# Altium PCB PCB1.PcbDoc (part 5 of 9) (continued)
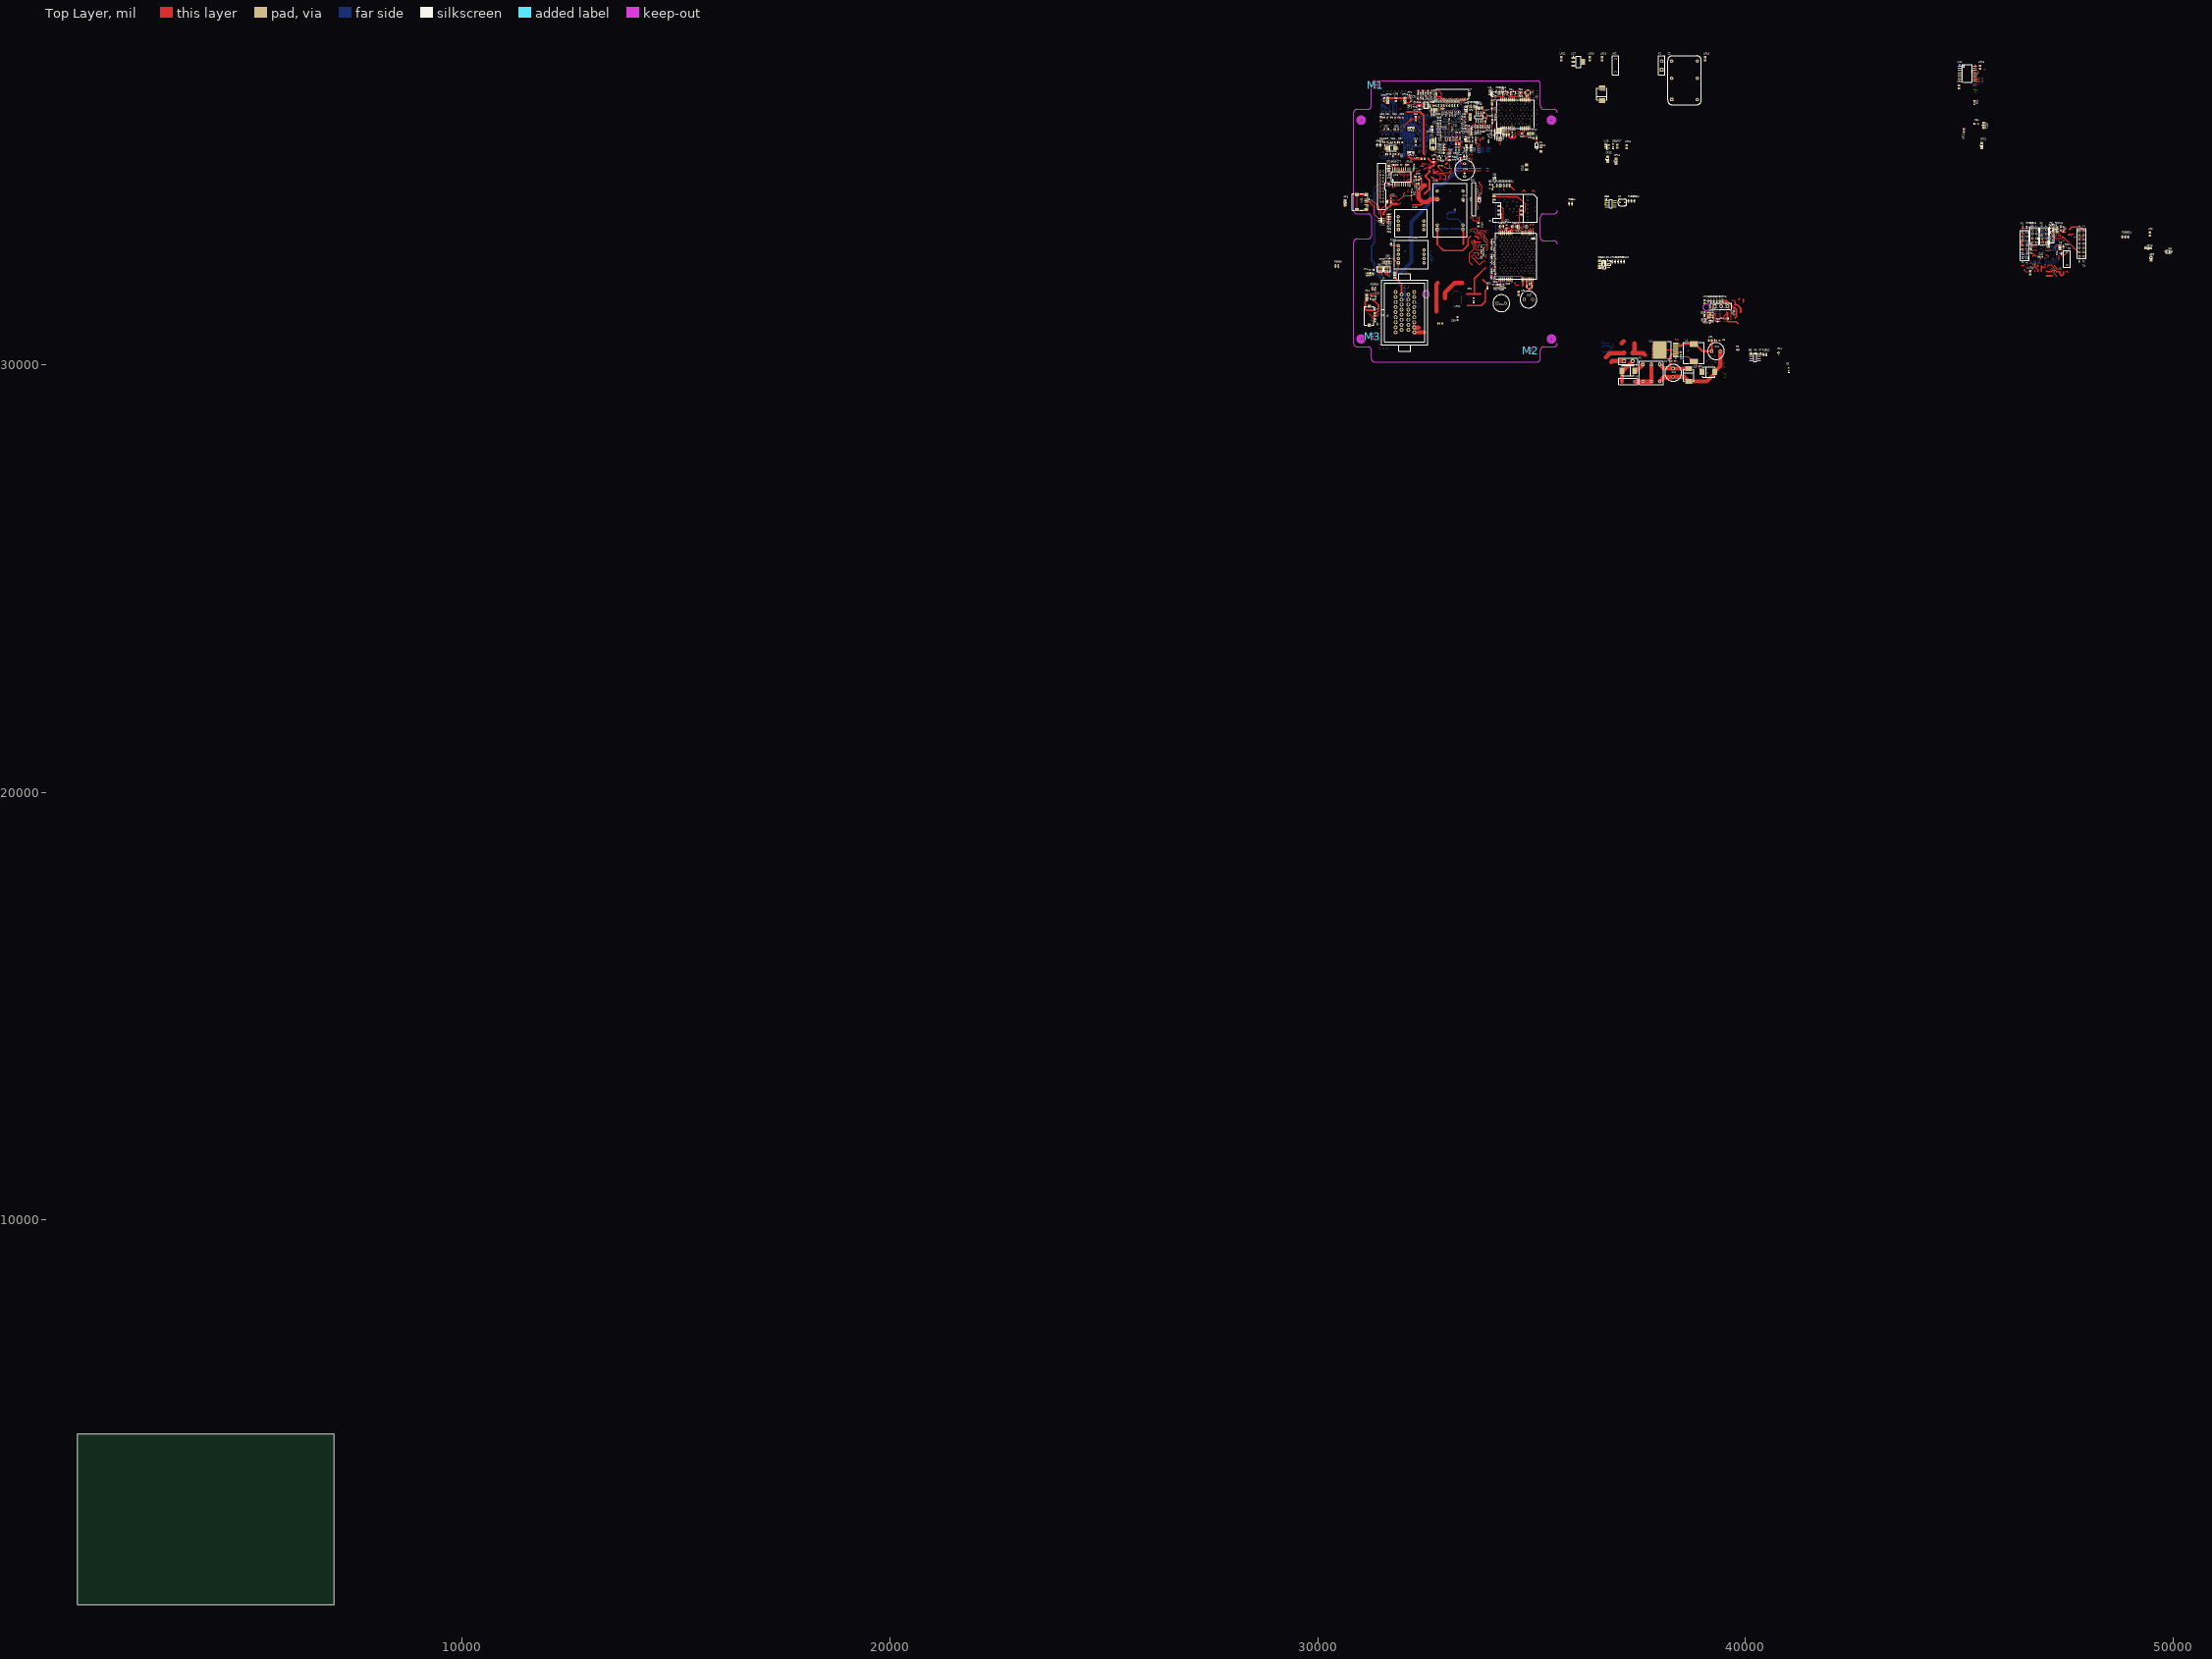
[diagram p0: Top Layer view]
## Nets (pads, with @x,y where several pads share a name; then routed paths per layer and width w, separated by ;. In a path a pad name is that pad's centre, name@x,y a point inside that pad or via, vN(x,y) a via of type N, cw(c..) or ccw(c..) an arc to the next point about the centre after c; other vN are vias at no path point) (continued)
cw(c32242.9,35582.26) 32242.9,35587.26 cw(c32242.9,35582.26) 32247.9,35582.26 32247.9,35555.46 ccw(c32252.9,35555.46) 32252.9,35550.46 ccw(c32252.9,35555.46) 32257.9,35555.46 32257.9,35565.46 cw(c32262.9,35565.46) 32262.9,35570.46 32272.9,35570.46 32278.88,35564.47 ccw(c32282.41,35568.01) 32285.95,35564.47 32289.74,35568.26 cw(c32293.28,35564.73) 32296.81,35568.27 cw(c32293.28,35564.73) 32296.81,35561.19 32293.02,35557.4 ccw(c32296.56,35553.87) 32293.02,35550.33 ccw(c32296.56,35553.87) 32300.09,35550.33 32303.88,35554.12 cw(c32307.42,35550.59) 32310.95,35554.12 cw(c32307.42,35550.59) 32310.95,35547.05 32295.09,35531.18 ccw(c32298.62,35527.65) 32295.09,35524.11 ccw(c32298.62,35527.65) 32302.16,35524.11 32307.16,35529.12 cw(c32310.7,35525.58) 32314.23,35529.12 ; v2(32149.88,32881.1) 32147.86,32881.1 32107.57,32921.4 32107.57,33759.46 33187.27,34839.16 33187.27,35236.8 33157.74,35266.32 33157.74,35423.8 v1(33173.49,35439.55) ; v1@32170.53,35685.02 cw(c32170.53,35669.33) 32181.63,35680.42 cw(c32192.73,35691.52) v1@32177.03,35691.52 ; v1(32170.53,35691.52) 32191.2,35670.86 32202.46,35670.86 cw(c32202.46,35665.86) 32207.46,35665.86 32207.46,35665.17 ccw(c32212.46,35665.17) 32212.46,35660.17 ccw(c32212.46,35665.17) 32217.46,35665.17 32217.46,35685.86 cw(c32222.46,35685.86) 32222.46,35690.86 cw(c32222.46,35685.86) 32227.46,35685.86 32227.46,35665.17 ccw(c32232.46,35665.17) 32232.46,35660.17 ccw(c32232.46,35665.17) 32237.46,35665.17 32237.46,35685.86 cw(c32242.46,35685.86) 32242.46,35690.86 cw(c32242.46,35685.86) 32247.46,35685.86 32247.46,35665.17 ccw(c32252.46,35665.17) 32252.46,35660.17 ccw(c32252.46,35665.17) 32257.46,35665.17 32257.46,35685.86 cw(c32262.46,35685.86) 32262.46,35690.86 cw(c32262.46,35685.86) 32267.46,35685.86 32267.46,35665.17 ccw(c32272.46,35665.17) 32272.46,35660.17 ccw(c32272.46,35665.17) 32277.46,35665.17 32277.46,35678.62 cw(c32282.46,35678.62) 32282.46,35683.62 cw(c32282.46,35678.62) 32287.46,35678.62 32287.46,35665.17 ccw(c32292.46,35665.17) 32292.46,35660.17 ccw(c32292.46,35665.17) 32297.46,35665.17 32297.46,35665.86 cw(c32302.46,35665.86) 32302.46,35670.86 cw(c32302.46,35665.86) 32307.46,35665.86 32307.46,35665.17 ccw(c32312.46,35665.17) 32312.46,35660.17 ccw(c32312.46,35665.17) 32317.46,35665.17 32317.46,35684.41 cw(c32322.46,35684.41) 32322.46,35689.41 cw(c32322.46,35684.41) 32327.46,35684.41 32327.46,35665.17 ccw(c32332.46,35665.17) 32332.46,35660.17 ccw(c32332.46,35665.17) 32337.46,35665.17 32337.46,35684.41 cw(c32342.46,35684.41) 32342.46,35689.41 cw(c32342.46,35684.41) 32347.46,35684.41 32347.46,35665.17 ccw(c32352.46,35665.17) 32352.46,35660.17 ccw(c32352.46,35665.17) 32357.46,35665.17 32357.46,35665.86 cw(c32362.46,35665.86) 32362.46,35670.86 v1(32370.3,35670.86) ; v1(32199.08,35046.84) 32299.51,35046.84 cw(c32299.51,35041.84) 32304.51,35041.84 32304.51,35037.29 ccw(c32309.51,35037.29) 32309.51,35032.29 ccw(c32309.51,35037.29) 32314.51,35037.29 32314.51,35059.79 cw(c32319.51,35059.79) 32319.51,35064.79 cw(c32319.51,35059.79) 32324.51,35059.79 32324.51,35036.56 ccw(c32329.51,35036.56) 32329.51,35031.56 ccw(c32329.51,35036.56) 32334.51,35036.56 32334.51,35055.62 cw(c32339.51,35055.62) 32339.51,35060.62 cw(c32339.51,35055.62) 32344.51,35055.62 32344.51,35051.84 ccw(c32349.51,35051.84) 32349.51,35046.84 32363.45,35046.84 v1(32391.66,35018.63) ; v1(32202.03,35619.67) 32203.01,35620.65 32239.16,35620.65 cw(c32239.16,35615.65) 32244.16,35615.65 32244.16,35615.31 ccw(c32249.16,35615.31) 32249.16,35610.31 ccw(c32249.16,35615.31) 32254.16,35615.31 32254.16,35615.65 cw(c32259.16,35615.65) 32259.16,35620.65 cw(c32259.16,35615.65) 32264.16,35615.65 32264.16,35614.97 ccw(c32269.16,35614.97) 32269.16,35609.97 ccw(c32269.16,35614.97) 32274.16,35614.97 32274.16,35615.65 cw(c32279.16,35615.65) 32279.16,35620.65 cw(c32279.16,35615.65) 32284.16,35615.65 32284.16,35608.44 ccw(c32289.16,35608.44) 32289.16,35603.44 ccw(c32289.16,35608.44) 32294.16,35608.44 32294.16,35615.65 cw(c32299.16,35615.65) 32299.16,35620.65 32319.16,35620.65 32327.55,35612.26 cw(c32324.01,35608.73) 32327.55,35605.19 32320.48,35598.12 ccw(c32324.01,35594.58) 32320.48,35591.05 ccw(c32324.01,35594.58) 32327.55,35591.05 32338.15,35601.66 32348.33,35611.83 cw(c32351.86,35608.29) 32355.4,35611.83 cw(c32351.86,35608.29) 32355.4,35604.76 32334.62,35583.98 ccw(c32338.15,35580.44) 32334.62,35576.91 ccw(c32338.15,35580.44) 32341.69,35576.91 32359.74,35594.96 cw(c32363.28,35591.42) 32366.81,35594.96 cw(c32363.28,35591.42) 32366.81,35587.89 32359.37,35580.44 32348.76,35569.84 ccw(c32352.3,35566.3) 32348.76,35562.77 ccw(c32352.3,35566.3) 32355.83,35562.77 32377.05,35583.98 cw(c32380.58,35580.44) 32384.12,35583.98 cw(c32380.58,35580.44) 32384.12,35576.91 32362.9,35555.69 ccw(c32366.44,35552.16) 32362.9,35548.62 ccw(c32366.44,35552.16) 32369.97,35548.62 32377.05,35555.69 cw(c32380.58,35552.16) 32384.12,35555.69 ; v1@32203.67,35042.24 cw(c32214.77,35031.14) 32214.77,35046.84 cw(c32214.77,35062.53) v1@32203.67,35051.43 ; v1@32206.63,35615.07 cw(c32220.1,35601.6) 32220.1,35620.65 ; v1@32206.63,35624.27 ccw(c32215.35,35632.99) 32215.35,35620.65 ; v2@32212.88,36104.85 cw(c32212.88,36086.74) 32225.69,36099.54 cw(c32238.49,36112.35) v2@32220.38,36112.35 ; v2(32212.88,36112.35) 32307.16,36018.07 v2(32453.05,36018.07) ; v2@32212.94,36300.78 cw(c32212.94,36282.67) 32225.75,36295.47 cw(c32238.55,36308.28) v2@32220.44,36308.28 ; v2(32212.94,36308.28) 32258.62,36262.6 32258.62,36100.07 32299,36059.69 ; v1(32234.51,35600.97) 32276.83,35600.97 32349.93,35527.88 cw(c32346.39,35524.34) 32349.93,35520.8 32344.55,35515.43 ccw(c32348.09,35511.9) 32344.55,35508.36 ccw(c32348.09,35511.9) 32351.62,35508.36 32369.44,35526.18 cw(c32372.98,35522.64) 32376.51,35526.18 cw(c32372.98,35522.64) 32376.51,35519.11 32358.7,35501.29 ccw(c32362.23,35497.75) 32358.7,35494.22 ccw(c32362.23,35497.75) 32365.77,35494.22 32371.14,35499.59 cw(c32374.68,35496.06) 32378.21,35499.59 v1(32391.01,35486.8) ; v2@32291.93,36288.59 cw(c32273.83,36288.59) 32286.63,36275.79 cw(c32299.43,36262.98) v2@32299.43,36281.09 ; v2(32299.43,36288.59) 32285.72,36274.87 32285.72,36197.98 32412.69,36071.01 v2(32462.88,36071.01) ; v2@32306.39,36243.63 cw(c32306.39,36225.52) 32319.19,36238.32 cw(c32331.99,36251.13) v2@32313.89,36251.13 ; v2(32306.39,36251.13) 32324.59,36232.92 32324.59,36217.17 32437.29,36104.47 v2(32467.8,36104.47) ; v2@32306.48,36055.62 ccw(c32299,36050.78) 32299,36059.69 ; v2@32306.48,36063.76 cw(c32299,36068.6) 32299,36059.69 ; v2(32312.78,36059.69) 32299,36059.69 ; v1@32318.56,35518.41 ccw(c32303.78,35518.67) 32314.24,35529.12 ; v1@32324.95,35524.79 cw(c32324.69,35539.57) 32314.24,35529.12 ; v1(32325.06,35518.29) 32314.23,35529.12 ; v1@32356.18,34983.63 ccw(c32340.49,34983.63) 32351.58,34994.72 ccw(c32362.68,35005.82) v1@32362.68,34990.13 ; v1@32365.81,35609.83 ccw(c32350.11,35609.83) 32361.21,35620.92 ccw(c32372.31,35632.02) v1@32372.31,35616.33 ; v1@32384.51,35486.8 ccw(c32368.81,35486.8) 32379.91,35497.89 ccw(c32391.01,35508.99) v1@32391.01,35493.3 ; v1@32385.16,35018.63 ccw(c32369.46,35018.63) 32380.56,35029.72 ccw(c32391.66,35040.82) v1@32391.66,35025.13 ; v1@32386.41,35693.81 ccw(c32375.31,35682.72) 32375.31,35698.41 ccw(c32375.31,35714.1) v1@32386.41,35703.01 ; v1@32388.44,35544.98 ccw(c32373.66,35545.24) 32384.12,35555.69 ; v1@32388.44,35633.45 ccw(c32372.75,35633.45) 32383.85,35644.55 ccw(c32394.94,35655.64) v1@32394.94,35639.95 ; v1@32389.75,35076.09 ccw(c32378.65,35064.99) 32378.65,35080.69 ccw(c32378.65,35096.38) v1@32389.75,35085.28 ; v2@32392.84,36197.52 cw(c32392.84,36179.42) 32405.65,36192.22 cw(c32418.45,36205.02) v2@32400.34,36205.02 ; v2(32392.84,36205.02) 32434.34,36163.53 32805.4,36163.53 33043.57,35925.36 33043.57,35897.8 33094.75,35846.62 33094.75,35800.77 33157.74,35737.78 33157.74,35675.77 v1(33173.49,35660.02) ; v1@32394.83,35551.37 cw(c32394.57,35566.15) 32384.12,35555.69 ; v1(32394.94,35544.87) 32384.12,35555.69 ; v1@32395.27,35136.73 ccw(c32384.17,35125.63) 32384.17,35141.32 ccw(c32384.17,35157.02) v1@32395.27,35145.92 ; v1@32395.33,35728.92 cw(c32379.64,35728.92) 32390.74,35717.83 cw(c32401.83,35706.73) v1@32401.83,35722.42 ; v2@32426.65,34441.27 ccw(c32408.55,34441.27) 32421.35,34454.08 ccw(c32434.15,34466.88) v2@32434.15,34448.77 ; v2(32438.28,36049.35) 32460.91,36049.35 32475.19,36035.08 32885.62,36035.08 33047.5,35873.2 v1(33047.5,35691.52) ; v2(32443.2,35983.41) 32468.79,35983.41 32496.35,36010.97 32880.61,36010.97 33000.26,35891.32 33000.26,35738.77 v1(33016.01,35723.02) ; v2@32443.58,36044.05 cw(c32456.38,36031.25) 32456.38,36049.35 cw(c32456.38,36067.46) v2@32443.58,36054.66 ; v2@32447.75,36012.77 ccw(c32434.94,35999.96) 32434.94,36018.07 ccw(c32434.94,36036.18) v2@32447.75,36023.37 ; v2@32448.5,35978.11 cw(c32461.3,35965.3) 32461.3,35983.41 cw(c32461.3,36001.52) v2@32448.5,35988.71 ; v2@32457.58,36065.7 ccw(c32444.78,36052.9) 32444.78,36071.01 ccw(c32444.78,36089.11) v2@32457.58,36076.31 ; v2@32462.5,36099.17 ccw(c32449.7,36086.37) 32449.7,36104.47 ccw(c32449.7,36122.58) v2@32462.5,36109.78 ; v2@32504.06,36197.52 cw(c32504.06,36179.42) 32516.87,36192.22 cw(c32529.67,36205.02) v2@32511.56,36205.02 ; v2(32504.06,36205.02) 32526.86,36182.23 32825.09,36182.23 33067.21,35940.1 33067.21,35892.28 v1(33141.99,35817.51) ; v2(32619.53,36205.02) 32853.47,36205.02 33118.39,35940.1 33118.39,35902.13 33157.74,35862.78 33157.74,35768.87 33173.49,35753.12 v1(33173.49,35723.02) ; v2@32624.84,36199.72 cw(c32637.64,36186.92) 32637.64,36205.02 cw(c32637.64,36223.13) v2@32624.84,36210.33 ; v2@32653.46,35503.88 ccw(c32640.66,35491.08) 32640.66,35509.19 ccw(c32640.66,35527.29) v2@32653.46,35514.49 ; v1@32713.25,35475.96 ccw(c32697.56,35475.96) 32708.66,35487.06 ccw(c32719.75,35498.16) v1@32719.75,35482.46 ; v2@32733.93,35145.81 cw(c32715.82,35145.81) 32728.62,35133.01 cw(c32741.43,35120.2) v2@32741.43,35138.31 ; v1@32818.5,35299.13 ccw(c32807.4,35288.03) 32807.4,35303.73 ccw(c32807.4,35319.42) v1@32818.5,35308.32 ; 32825.77,35220.3 ccw(c32825.77,35258.72) v1@32852.95,35231.55 ; v1@32837.19,35323.72 ccw(c32826.09,35312.63) 32826.09,35328.32 ccw(c32826.09,35344.01) v1@32837.19,35332.92 ; 32837.85,35220.3 ccw(c32837.85,35246.65) v1@32856.48,35228.01 ; v1@32846.38,35323.72 cw(c32857.47,35312.63) 32857.47,35328.32 cw(c32857.47,35344.01) v1@32846.38,35332.92 ; 32849.92,35220.3 ccw(c32849.92,35234.58) v1@32860.02,35224.48 ; v2@32872.33,35948.35 cw(c32872.33,35930.24) 32885.13,35943.05 cw(c32897.94,35955.85) v2@32879.83,35955.85 ; v2(32872.33,35955.85) 32984.51,35843.67 v1(32984.51,35754.51) ; v1@32915.02,35312.58 cw(c32899.33,35312.58) 32910.42,35301.49 cw(c32921.52,35290.39) v1@32921.52,35306.08 ; v1@32915.02,35408.06 ccw(c32899.33,35408.06) 32910.42,35419.15 ccw(c32921.52,35430.25) v1@32921.52,35414.56 ; v1@32916.92,35371.96 ccw(c32905.83,35360.87) 32905.83,35376.56 ccw(c32905.83,35392.25) v1@32916.92,35381.16 ; v1@32916.92,35434.96 ccw(c32905.83,35423.86) 32905.83,35439.55 ccw(c32905.83,35455.25) v1@32916.92,35444.15 ; v1@32941.59,35258.45 cw(c32925.9,35258.45) 32937,35247.35 cw(c32948.09,35236.26) v1@32948.09,35251.95 ; v1@32946.51,35376.56 cw(c32930.82,35376.56) 32941.92,35365.46 cw(c32953.01,35354.37) v1@32953.01,35370.06 ; v1@32946.51,35408.06 cw(c32930.82,35408.06) 32941.92,35396.96 cw(c32953.01,35385.86) v1@32953.01,35401.56 ; v1@32946.51,35439.55 ccw(c32930.82,35439.55) 32941.92,35450.65 ccw(c32953.01,35461.75) v1@32953.01,35446.05 ; v1@32946.51,35471.05 ccw(c32930.82,35471.05) 32941.92,35482.14 ccw(c32953.01,35493.24) v1@32953.01,35477.55 ; v1@32948.42,35497.95 ccw(c32937.32,35486.85) 32937.32,35502.54 ccw(c32937.32,35518.24) v1@32948.42,35507.14 ; v1(32953.01,35376.56) 32937.51,35361.06 32613.7,35361.06 32589.95,35337.32 32551.84,35337.32 32551.76,35337.25 32538.92,35337.25 32538.85,35337.32 32514.89,35337.32 32490.85,35361.36 31821.58,35361.36 31758.59,35424.35 31686.31,35424.35 31667.27,35405.32 ; v2@32959.77,36148.31 cw(c32959.77,36130.2) 32972.58,36143.01 cw(c32985.38,36155.81) v2@32967.27,36155.81 ; v2(32959.77,36155.81) 32989.84,36125.74 32989.84,36098.18 33136.11,35951.91 33136.11,35910 33220.73,35825.38 33220.73,35770.26 v1(33204.98,35754.51) ; v1@32967.61,35221.22 ccw(c32956.51,35232.31) 32972.21,35232.31 ccw(c32987.9,35232.31) v1@32976.8,35221.22 ; v1(32972.21,35216.62) 32972.21,35240.24 33031.51,35299.54 33031.51,35455.05 v1(33047.5,35471.05) ; v1@32978.01,35408.06 cw(c32962.32,35408.06) 32973.41,35396.96 cw(c32984.51,35385.86) v1@32984.51,35401.56 ; v1@32978.01,35502.54 ccw(c32962.32,35502.54) 32973.41,35513.64 ccw(c32984.51,35524.74) v1@32984.51,35509.04 ; v1@32978.01,35534.04 ccw(c32962.32,35534.04) 32973.41,35545.14 ccw(c32984.51,35556.23) v1@32984.51,35540.54 ; v1@32979.91,35371.96 cw(c32968.82,35360.87) 32984.51,35360.87 cw(c33000.2,35360.87) v1@32989.11,35371.96 ; v1@32979.91,35759.11 ccw(c32968.82,35770.21) 32984.51,35770.21 ccw(c33000.2,35770.21) v1@32989.11,35759.11 ; 33004.56,35514.49 cw(c32992.62,35502.54) v1@33009.51,35502.54 ; 33005.76,35513.29 ccw(c33016.01,35523.54) v1@33016.01,35509.04 ; v1@33009.51,35376.56 cw(c32993.81,35376.56) 33004.91,35365.46 cw(c33016.01,35354.37) v1@33016.01,35370.06 ; v1@33009.51,35723.02 ccw(c32993.81,35723.02) 33004.91,35734.11 ccw(c33016.01,35745.21) v1@33016.01,35729.52 ; v1@33016.01,35540.54 ccw(c33016.01,35556.23) 33027.1,35545.14 ccw(c33038.2,35534.04) v1@33022.51,35534.04 ; v2@33018.83,36093.19 cw(c33018.83,36075.08) 33031.63,36087.89 cw(c33044.44,36100.69) v2@33026.33,36100.69 ; v2(33018.83,36100.69) 33072.63,36046.89 33088.37,36046.89 33190.22,35945.05 33190.22,35873.61 33236.48,35827.35 v1(33236.48,35691.52) ; v1@33041,35471.05 cw(c33025.31,35471.05) 33036.41,35459.95 cw(c33047.5,35448.86) v1@33047.5,35464.55 ; v1@33042.91,35434.96 cw(c33031.81,35423.86) 33047.5,35423.86 cw(c33063.19,35423.86) v1@33052.1,35434.96 ; v1@33042.91,35696.12 ccw(c33031.81,35707.21) 33047.5,35707.21 ccw(c33063.19,35707.21) v1@33052.1,35696.12 ; v1@33047.5,35496.04 cw(c33047.5,35480.35) 33058.6,35491.45 cw(c33069.69,35502.54) v1@33054,35502.54 ; 33072.13,34851.52 33072.13,34852.96 ; v1@33074.4,35371.96 cw(c33063.31,35360.87) 33079,35360.87 cw(c33094.69,35360.87) v1@33083.59,35371.96 ; v1@33079,35113.76 v1(33079,35376.56) ; 33079,35129.27 ccw(c33099.42,35129.27) v1@33084.98,35114.83 ; 33079,35141.34 ccw(c33111.49,35141.34) v1@33088.52,35118.36 ; v1@33079,35401.56 cw(c33079,35385.86) 33090.09,35396.96 cw(c33101.19,35408.06) v1@33085.5,35408.06 ; v1(33079,35408.06) 33094.75,35392.31 33094.75,35223.02 v1(33120.34,35197.43) ; 33089.85,34768.84 33089.85,34769.3 ; v2@33097.57,36155.2 cw(c33097.57,36110.95) 33128.85,36142.24 ; v2@33097.57,36160.2 cw(c33097.57,36128.03) 33120.32,36150.78 ; v2(33097.57,36162.7) 33098.4,36163.53 33107.57,36163.53 33267.98,36003.12 v1(33267.98,35754.51) ; v2@33097.57,36165.2 cw(c33097.57,36145.1) 33111.78,36159.31 ; v2(33097.72,34061.17) 33362.49,34325.93 33362.49,34948.96 v2@33380.2,34966.68 ; v2@33097.72,34068.67 ccw(c33097.72,34086.77) 33110.53,34073.97 ccw(c33123.33,34061.17) v2@33105.22,34061.17 ; v1@33110.49,35496.04 cw(c33110.49,35480.35) 33121.59,35491.45 cw(c33132.69,35502.54) v1@33116.99,35502.54 ; v1(33110.49,35502.54) 33126.24,35486.8 33126.24,35369.67 33110.49,35353.92 33110.49,35230.89 33156.75,35184.63 33156.75,35057.2 33072.13,34972.58 33072.13,34852.96 ; v1(33110.49,35565.54) 33140.16,35535.87 33140.16,35504.38 33157.74,35486.8 33220.73,35486.8 v1(33236.48,35471.05) ; v1@33113.84,35197.43 ccw(c33098.14,35197.43) 33109.24,35208.52 ccw(c33120.34,35219.62) v1@33120.34,35203.93 ; v2@33131.64,36104.94 cw(c33123.27,36096.58) 33135.1,36096.58 ; 33135.1,36095.52 cw(c33143.88,36095.52) v2@33140.14,36103.46 ; v2@33135.1,36108.41 33135.1,36095.64 33236.25,35994.49 33236.25,35848.25 33252.23,35832.27 33252.23,35707.27 v1(33267.98,35691.52) ; v1@33135.49,35817.51 ccw(c33119.8,35817.51) 33130.89,35828.6 ccw(c33141.99,35839.7) v1@33141.99,35824.01 ; v1(33141.99,35376.56) 33141.99,35367.7 33126.49,35352.2 33126.49,35264.36 33172.5,35218.34 33172.5,35050.31 33089.85,34967.66 33089.85,34769.3 ; v2@33156.62,36134.53 cw(c33156.62,36116.42) 33169.43,36129.23 cw(c33182.23,36142.03) v2@33164.12,36142.03 ; v2(33156.62,36142.03) 33283.72,36014.93 33283.72,35738.77 v1(33299.47,35723.02) ; v1@33166.99,35439.55 cw(c33151.29,35439.55) 33162.39,35428.46 cw(c33173.49,35417.36) v1@33173.49,35433.05 ; v1@33166.99,35660.02 ccw(c33151.29,35660.02) 33162.39,35671.12 ccw(c33173.49,35682.22) v1@33173.49,35666.52 ; v1@33168.89,35403.46 cw(c33157.79,35392.36) 33173.49,35392.36 cw(c33189.18,35392.36) v1@33178.08,35403.46 ; v1@33168.89,35727.61 ccw(c33157.79,35738.71) 33173.49,35738.71 ccw(c33189.18,35738.71) v1@33178.08,35727.61 ; v1(33173.49,35534.04) 33189.48,35550.04 33450.39,35550.04 33476.43,35524 33617.18,35524 33701.07,35440.1 33701.07,35211.76 33776.86,35135.97 33776.86,35054.28 v2(33741.03,35018.45) ; v1@33173.49,35540.54 ccw(c33173.49,35556.23) 33184.58,35545.14 ccw(c33195.68,35534.04) v1@33179.99,35534.04 ; v2@33176.31,36159.14 cw(c33176.31,36114.89) 33207.59,36146.18 ; v2@33176.31,36164.14 cw(c33176.31,36131.96) 33199.06,36154.71 ; v2(33176.31,36166.64) 33187.14,36166.64 ; v2@33176.31,36169.14 cw(c33176.31,36149.03) 33190.52,36163.25 ; v2@33183.33,36164 cw(c33187.14,36162.57) 33187.14,36166.64 ; v2@33183.33,36169.27 ccw(c33187.14,36170.7) 33187.14,36166.64 ; v1@33198.48,35439.55 cw(c33182.79,35439.55) 33193.89,35428.46 cw(c33204.98,35417.36) v1@33204.98,35433.05 ; v1@33200.39,35371.96 cw(c33189.29,35360.87) 33204.98,35360.87 cw(c33220.67,35360.87) v1@33209.58,35371.96 ; v1(33204.98,35376.56) 33204.98,35294.87 33240.27,35259.58 33240.27,34755.36 32651.83,34166.91 32651.83,33823.94 32200.06,33372.16 32200.06,32434.4 31984.31,32218.65 ; v1@33204.98,35401.56 cw(c33204.98,35385.86) 33216.08,35396.96 cw(c33227.17,35408.06) v1@33211.48,35408.06 ; v1@33204.98,35464.55 cw(c33204.98,35448.86) 33216.08,35459.95 cw(c33227.17,35471.05) v1@33211.48,35471.05 ; v1(33204.98,35471.05) 33220.73,35455.3 33258.13,35455.3 33276.08,35437.35 33302.24,35437.35 33347.41,35392.19 33433.04,35392.19 v2@33459.93,35365.3 ; v1(33204.98,35502.54) 33221.28,35518.84 33370.36,35518.84 33434.34,35454.87 v2(33503.24,35454.87) ; v1@33204.98,35509.04 ccw(c33204.98,35524.74) 33216.08,35513.64 ccw(c33227.17,35502.54) v1@33211.48,35502.54 ; v1(33204.98,35534.04) 33435.94,35534.04 33459.01,35510.97 33606.58,35510.97 33683.35,35434.2 33683.35,35176.72 v2(33741.62,35118.45) ; v1(33204.98,35660.02) 33220.73,35675.77 33361.48,35675.77 33411.68,35725.97 v2@33411.68,36130.92 ; v1@33204.98,35666.52 ccw(c33204.98,35682.22) 33216.08,35671.12 ccw(c33227.17,35660.02) v1@33211.48,35660.02 ; v1@33204.98,35761.01 ccw(c33204.98,35776.71) 33216.08,35765.61 ccw(c33227.17,35754.51) v1@33211.48,35754.51 ; v1@33209.58,35529.44 cw(c33220.67,35518.35) 33220.67,35534.04 cw(c33220.67,35549.73) v1@33209.58,35538.64 ; v2@33212.88,36106.5 cw(c33212.88,36088.39) 33225.69,36101.2 cw(c33238.49,36114) v2@33220.38,36114 ; v2(33212.88,36114) 33299.47,36027.41 v1(33299.47,35754.51) ; v2@33215.68,36156.86 cw(c33215.68,36138.75) 33228.48,36151.55 cw(c33241.29,36164.36) v2@33223.18,36164.36 ; v2(33215.68,36164.36) 33346.71,36033.32 33346.71,35801.76 v1(33330.97,35786.01) ; v1@33231.88,35371.96 cw(c33220.79,35360.87) 33236.48,35360.87 cw(c33252.17,35360.87) v1@33241.07,35371.96 ; v1@33231.88,35696.12 ccw(c33220.79,35707.21) 33236.48,35707.21 ccw(c33252.17,35707.21) v1@33241.07,35696.12 ; v1@33236.48,35401.56 cw(c33236.48,35385.86) 33247.57,35396.96 cw(c33258.67,35408.06) v1@33242.98,35408.06 ; v1(33236.48,35408.06) 33252.47,35392.06 33329.33,35392.06 33456.49,35264.91 v2@33457.96,35264.91 ; v1(33236.48,35565.54) 33267.54,35596.6 33655.8,35596.6 33703.04,35549.35 v2(33703.04,35513.92) ; v1@33236.48,35572.04 ccw(c33236.48,35587.73) 33247.58,35576.63 ccw(c33258.67,35565.54) v1@33242.98,35565.54 ; v1@33261.48,35691.52 ccw(c33245.78,35691.52) 33256.88,35702.62 ccw(c33267.98,35713.71) v1@33267.98,35698.02 ; v1@33263.38,35759.11 ccw(c33252.28,35770.21) 33267.98,35770.21 ccw(c33283.67,35770.21) v1@33272.57,35759.11 ; v2(33264.11,36140.12) v2@33265.31,36138.92 ; v1(33267.97,35565.54) 33283.47,35581.04 33599.51,35581.04 33723.93,35456.61 v2(33811.09,35456.61) ; v1@33267.97,35572.04 ccw(c33267.97,35587.73) 33279.07,35576.63 ccw(c33290.17,35565.54) v1@33274.47,35565.54 ; v1@33292.97,35723.02 ccw(c33277.28,35723.02) 33288.38,35734.11 ccw(c33299.47,35745.21) v1@33299.47,35729.52 ; v1@33294.88,35759.11 ccw(c33283.78,35770.21) 33299.47,35770.21 ccw(c33315.16,35770.21) v1@33304.07,35759.11 ; v1@33299.47,35496.04 cw(c33299.47,35480.35) 33310.57,35491.45 cw(c33321.66,35502.54) v1@33305.97,35502.54 ; v1(33299.47,35502.54) 33315.22,35486.8 33368.64,35486.8 33507.15,35348.29 33507.15,35026.74 33592.78,34941.11 v2(33613.45,34941.11) ; 33319.87,35765.61 cw(c33308.77,35754.51) v1@33324.47,35754.51 ; 33319.88,35765.61 ccw(c33330.97,35776.7) v1@33330.97,35761.01 ; v1@33326.37,35466.45 cw(c33315.28,35455.36) 33330.97,35455.36 cw(c33346.66,35455.36) v1@33335.56,35466.45 ; v1(33330.97,35471.05) 33330.97,35441.11 33348.52,35423.56 33388.88,35423.56 33403.65,35408.79 v2(33403.88,35408.79) ; v1(33330.97,35502.54) 33369.93,35502.54 33661.68,35210.8 33661.68,35148.76 ; v1(33330.97,35565.54) 33331.7,35566.27 33596.55,35566.27 33732.54,35430.29 33732.54,35227.5 33798.51,35161.53 33798.51,35022.78 v2(33743.39,34967.66) ; v1(33330.97,35691.52) 33346.96,35707.52 33346.96,35729.44 33346.96,35761.19 33378.21,35792.44 33378.21,36085.25 v2(33355.05,36108.41) ; v1@33330.97,35698.02 ccw(c33330.97,35713.71) 33342.06,35702.62 ccw(c33353.16,35691.52) v1@33337.47,35691.52 ; v1(33330.97,35754.51) 33315.22,35770.26 33315.22,36038.55 33187.14,36166.64 ; v1@33330.97,35792.51 ccw(c33330.97,35808.2) 33342.06,35797.11 ccw(c33353.16,35786.01) v1@33337.47,35786.01 ; v1@33335.56,35497.95 cw(c33346.66,35486.85) 33346.66,35502.54 cw(c33346.66,35518.24) v1@33335.56,35507.14 ; v1@33335.56,35560.94 cw(c33348.44,35548.07) 33348.44,35566.27 ; v1@33335.56,35570.13 ccw(c33344.88,35579.45) 33344.88,35566.27 ; v2@33355.05,36100.91 cw(c33355.05,36082.8) 33367.85,36095.61 cw(c33380.65,36108.41) v2@33362.55,36108.41 ; v1(33362.46,35723.02) 33396.94,35757.49 33396.94,36111.36 v2(33364.46,36143.84) ; v1@33362.46,35729.52 ccw(c33362.46,35745.21) 33373.56,35734.11 ccw(c33384.66,35723.02) v1@33368.96,35723.02 ; v2@33364.46,36136.34 cw(c33364.46,36118.24) 33377.26,36131.04 cw(c33390.06,36143.84) v2@33371.96,36143.84 ; 33366.71,34953.18 ccw(c33352.22,34967.66) v2@33372.7,34967.66 ; 33369.08,34955.55 cw(c33380.2,34944.43) v2@33380.2,34960.16 ; 33390.68,35421.76 ccw(c33403.88,35434.96) v2@33403.88,35416.29 ; 33391.25,35421.19 cw(c33378.85,35408.79) v2@33396.38,35408.79 ; v2@33407.23,36125.61 cw(c33396.48,36114.87) 33411.68,36114.87 ; 33411.68,36110.75 cw(c33432.7,36110.75) v2@33417.83,36125.61 ; 33441.95,35279.44 ccw(c33458.94,35296.44) v2@33458.94,35272.41 ; 33446.08,35379.14 ccw(c33460.97,35394.03) v2@33460.97,35372.98 ; 33447.88,35273.52 cw(c33439.26,35264.91) v2@33451.44,35264.91 ; 33449.03,35376.2 cw(c33438.31,35365.48) v2@33453.47,35365.48 ; 33450.49,35270.91 ccw(c33458.94,35279.37) v2@33458.94,35267.41 ; v2@33458.45,35265.4 v2(33458.94,35264.91) ; v2@33497.93,35449.56 ccw(c33485.13,35436.76) 33485.13,35454.87 ccw(c33485.13,35472.97) v2@33497.93,35460.17 ; v2(33503.7,35494.47) v2@33506.42,35497.19 ; v2@33508.22,35539.57 v2(33508.22,35549.54) ; v2@33608.14,34935.81 ccw(c33595.34,34923.01) 33595.34,34941.11 ccw(c33595.34,34959.22) v2@33608.14,34946.42 ; 33661.7,35148.57 v2(33741.82,35068.45) ; v2@33697.74,35519.22 ccw(c33684.93,35532.03) 33703.04,35532.03 ccw(c33721.15,35532.03) v2@33708.34,35519.22 ; v2@33734.12,35118.45 ccw(c33716.02,35118.45) 33728.82,35131.25 ccw(c33741.62,35144.06) v2@33741.62,35125.95 ; v2@33734.32,35068.45 ccw(c33716.21,35068.45) 33729.02,35081.25 ccw(c33741.82,35094.06) v2@33741.82,35075.95 ; v2@33741.03,35025.95 ccw(c33741.03,35044.06) 33753.83,35031.25 ccw(c33766.64,35018.45) v2@33748.53,35018.45 ; v2@33743.39,34975.16 ccw(c33743.39,34993.27) 33756.2,34980.46 ccw(c33769,34967.66) v2@33750.89,34967.66 ; v2@33805.78,35451.31 ccw(c33792.98,35438.51) 33792.98,35456.61 ccw(c33792.98,35474.72) v2@33805.78,35461.92 ; v2@46540.76,32618.23 cw(c46540.76,32600.13) 46553.57,32612.93 cw(c46566.37,32625.73) v2@46548.26,32625.73 ; v2(46540.76,32625.73) 46599.82,32566.68 v2(46599.82,32387.54) ; v2@46594.52,32392.85 ccw(c46581.71,32405.65) 46599.82,32405.65 ccw(c46617.93,32405.65) v2@46605.12,32392.85
  MidLayer1 w6: v2(31506.79,35335.39) 31521.94,35350.54 31720.76,35350.54 31761.11,35310.18 32310.93,35310.18 32338.05,35283.06 32859.51,35283.06 v1(32921.52,35345.06) ; v2@31506.79,35342.39 ccw(c31506.79,35359.29) 31518.74,35347.34 ccw(c31530.69,35335.39) v2@31513.79,35335.39 ; v1@32915.52,35345.06 cw(c32901.03,35345.06) 32911.28,35334.82 cw(c32921.52,35324.58) v1@32921.52,35339.06 ; v2(46972.85,33093.25) 47022.06,33142.46 47812.42,33142.46 47826.2,33128.68 ; v2@46972.85,33100.25 ccw(c46972.85,33117.15) 46984.8,33105.2 ccw(c46996.75,33093.25) v2@46979.85,33093.25 ; v2@46989.58,32943.65 v2@46991.55,32941.68 ; v2(46992.54,32983.02) 47074.23,33064.71 47783.87,33064.71 47818.32,33030.26 ; v2@46992.54,32990.02 ccw(c46992.54,33006.92) 47004.49,32994.97 ccw(c47016.43,32983.02) v2@46999.54,32983.02 ; v2@46993.52,32943.65 46996.47,32940.69 47588.01,32940.69 47736.63,32792.07 47863.6,32792.07 47913.8,32842.27 ; v2@46995.52,32936.73 cw(c47005.09,32927.15) 47005.09,32940.69 ; v2@46995.52,32946.63 ccw(c47009.84,32960.95) 47009.84,32940.69 ; v2(47012.22,33094.24) 47013.47,33092.98 47652.97,33092.98 ; v2@47017.17,33089.29 cw(c47026.1,33080.36) 47026.1,33092.98 ; v2@47017.17,33099.19 ccw(c47032.14,33114.16) 47032.14,33092.98 ; v2@47031.98,32982.02 cw(c47032.82,32970.05) 47041.31,32978.53 ; v2@47032.4,32976.03 cw(c47034.06,32952.69) 47050.61,32969.24 ; v2@47034.86,32984.98 47050.61,32969.24 ; 47652.97,33092.27 47826.2,33092.27 47863.6,33054.87 47863.6,32984.79 47816.35,32937.54 ; 47710.06,32941.68 47817.34,32834.39 ; 47815.96,32937.15 47819.31,32933.8 ; 47816.35,32837.54 47684.66,32969.24 47050.61,32969.24